# Altium PCB CryptUS_RevB_ASM.PcbDoc (part 3 of 3)
Units mil, origin at the board's own origin, x right, y up, seen from the top; angles counter-clockwise.
Board outline 3937.01 x 3937.01 mil, 8 copper layers (Top Layer, GND 1, Signal 1, GND 2, Signal 2, PWR, GND 3, Bottom Layer), stack 59.978 mil thick; 196 components, 53 nets, 984 pads, 1003 vias.
Unrouted connection lines stored in the file: 186.
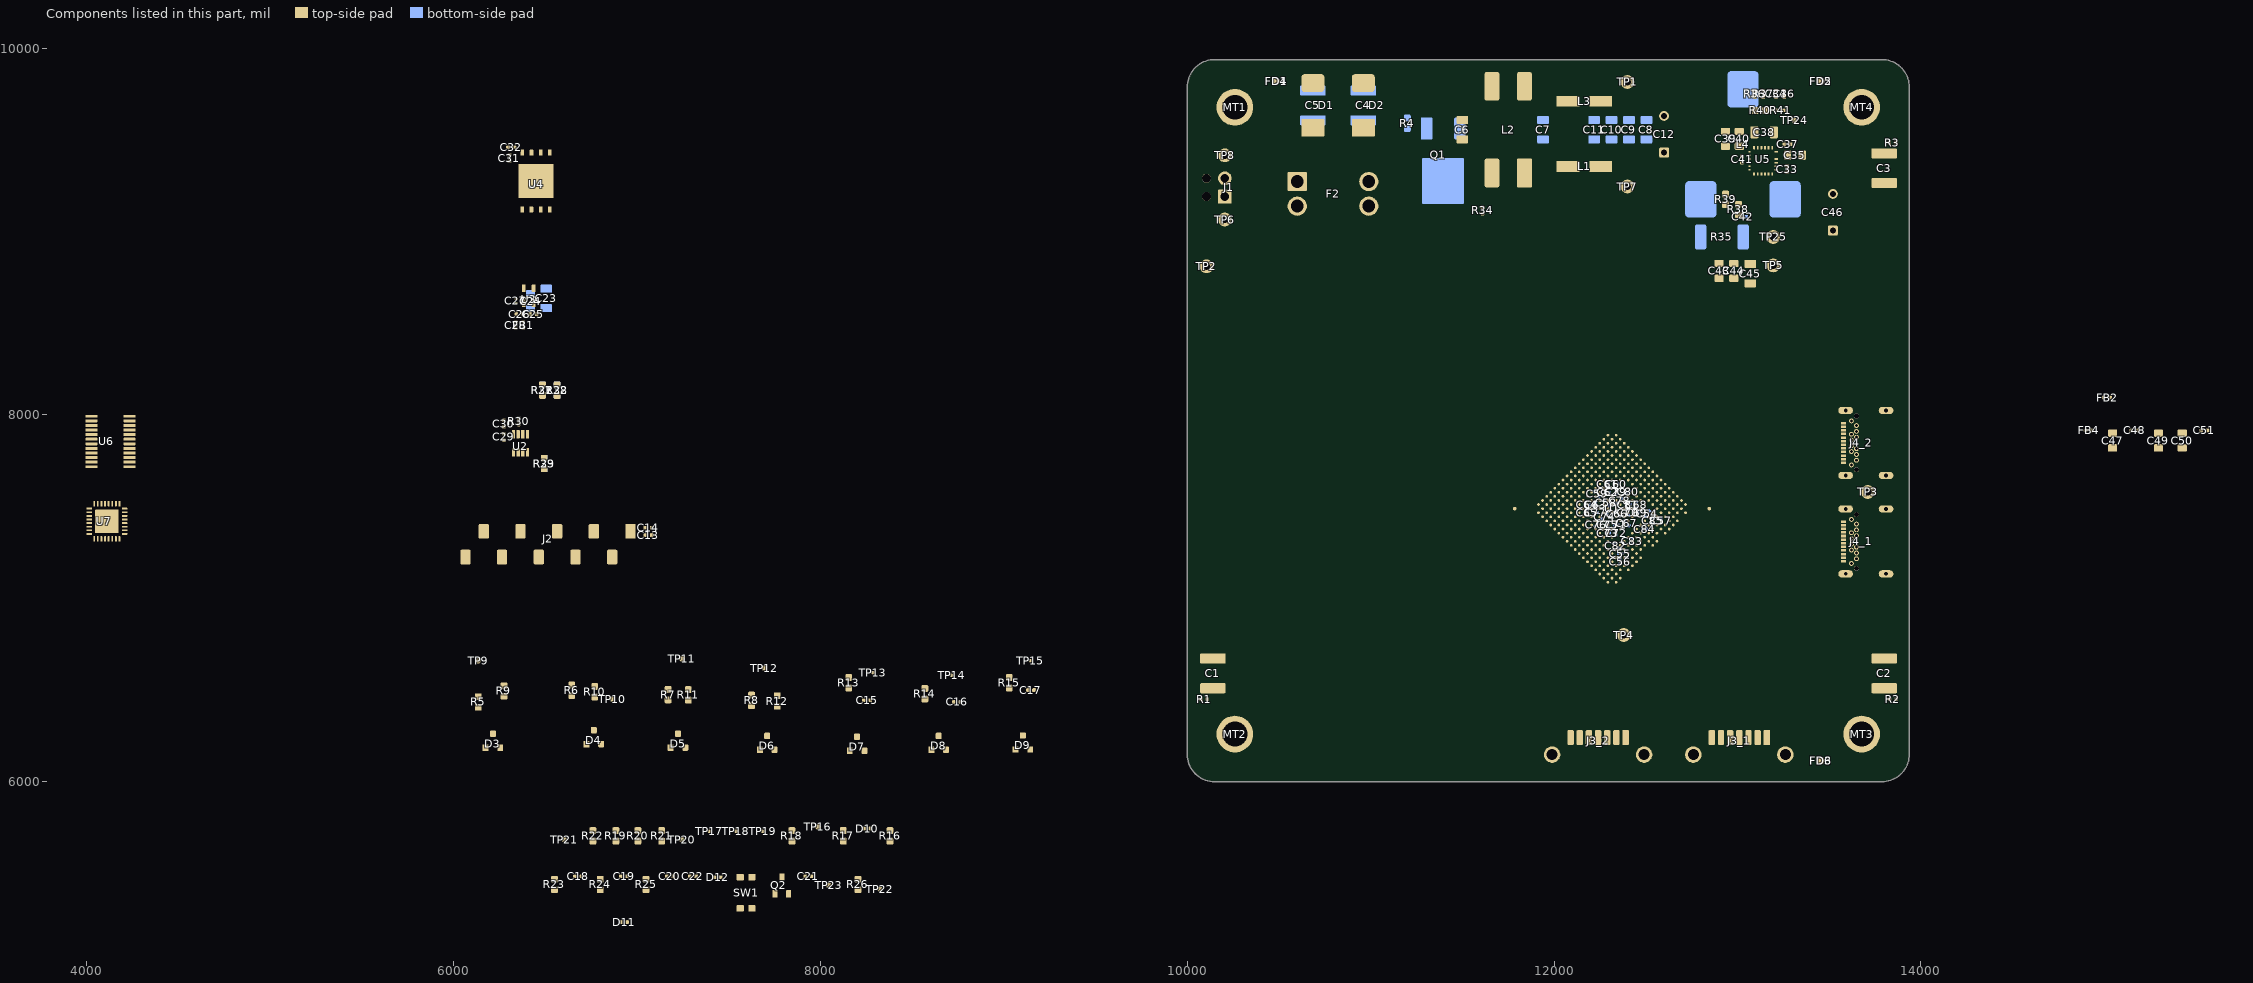
[diagram p9: the components of this part, seen from the top]

## Via types
v1: diameter 28, hole 16, Top Layer to Bottom Layer, 543 vias
v2: diameter 13.78, hole 7.87, Top Layer to Bottom Layer, tented both sides, 377 vias
v3: diameter 20, hole 16, Top Layer to Bottom Layer, 48 vias
v4: diameter 40, hole 20, Top Layer to Bottom Layer, 12 vias
v5: diameter 24, hole 12, Top Layer to Bottom Layer, 9 vias
v6: diameter 28, hole 16, Top Layer to Bottom Layer, tented top, 8 vias
v7: diameter 20, hole 10, Top Layer to Bottom Layer, 6 vias

## Nets (pads, with @x,y where several pads share a name; then routed paths per layer and width w, separated by ;. In a path a pad name is that pad's centre, name@x,y a point inside that pad or via, vN(x,y) a via of type N, cw(c..) or ccw(c..) an arc to the next point about the centre after c; other vN are vias at no path point) (continued)
copper on no net: | length 5501
  Top Layer w10: v2(11915.04,7444.52) 11937.31,7444.52 ; v2(11915.04,7489.07) 11937.31,7489.07 ; v2(11915.04,7533.61) 11937.31,7533.61 ; v2(11937.31,7422.25) 11959.58,7422.25 ; v2(11937.31,7466.8) 11959.58,7466.8 ; v2(11937.31,7511.34) 11959.58,7511.34 ; v2(11937.31,7555.88) 11959.58,7555.88 ; v2(11959.58,7399.98) 11981.85,7399.98 ; v2(11959.58,7444.52) 11981.85,7444.52 ; v2(11959.58,7489.07) 11981.85,7489.07 ; v2(11959.58,7533.61) 11981.85,7533.61 ; v2(11959.58,7578.15) 11981.85,7578.15 ; v2(11981.85,7422.25) 12004.12,7422.25 ; v2(11981.85,7466.8) 12004.12,7466.8 ; v2(11981.85,7511.34) 12004.12,7511.34 ; v2(11981.85,7555.88) 12004.12,7555.88 ; v2(11981.85,7600.42) 12004.12,7600.42 ; v2(12004.12,7355.44) 12026.39,7355.44 ; v2(12004.12,7399.98) 12026.39,7399.98 ; v2(12004.12,7444.52) 12026.39,7444.52 ; v2(12004.12,7533.61) 12026.39,7533.61 ; v2(12004.12,7578.15) 12026.39,7578.15 ; v2(12004.12,7622.69) 12026.39,7622.69 ; v2(12026.39,7333.17) 12048.66,7333.17 ; v2(12026.39,7377.71) 12048.66,7377.71 ; v2(12026.39,7422.25) 12048.66,7422.25 ; v2(12026.39,7466.8) 12048.66,7466.8 ; v2(12026.39,7511.34) 12048.66,7511.34 ; v2(12026.39,7555.88) 12048.66,7555.88 ; v2(12026.39,7644.96) 12048.66,7644.96 ; v2(12048.66,7310.9) 12070.93,7310.9 ; v2(12048.66,7399.98) 12070.93,7399.98 ; v2(12048.66,7444.52) 12070.93,7444.52 ; v2(12048.66,7489.07) 12070.93,7489.07 ; v2(12048.66,7533.61) 12070.93,7533.61 ; v2(12048.66,7578.15) 12070.93,7578.15 ; v2(12048.66,7622.69) 12070.93,7622.69 ; v2(12048.66,7667.23) 12070.93,7667.23 ; v2(12070.93,7288.63) 12093.2,7288.63 ; v2(12070.93,7377.71) 12093.2,7377.71 ; v2(12070.93,7466.8) 12093.2,7466.8 ; v2(12070.93,7511.34) 12093.2,7511.34 ; v2(12070.93,7555.88) 12093.2,7555.88 ; v2(12070.93,7600.42) 12093.2,7600.42 ; v2(12070.93,7644.96) 12093.2,7644.96 ; v2(12070.93,7689.51) 12093.2,7689.51 ; v2(12093.2,7310.9) 12115.48,7310.9 ; v2(12093.2,7355.44) 12115.48,7355.44 ; v2(12093.2,7399.98) 12115.48,7399.98 ; v2(12093.2,7444.52) 12115.48,7444.52 ; v2(12093.2,7489.07) 12115.48,7489.07 ; v2(12093.2,7533.61) 12115.48,7533.61 ; v2(12093.2,7578.15) 12115.48,7578.15 ; v2(12093.2,7622.69) 12115.48,7622.69 ; v2(12093.2,7667.23) 12115.48,7667.23 ; v2(12115.48,7333.17) 12137.75,7333.17 ; v2(12115.48,7377.71) 12137.75,7377.71 ; v2(12115.48,7422.25) 12137.75,7422.25 ; v2(12115.48,7555.88) 12137.75,7555.88 ; v2(12115.48,7600.42) 12137.75,7600.42 ; v2(12115.48,7644.96) 12137.75,7644.96 ; 12115.48,7711.78 v2(12115.48,7734.05) ; v2(12137.75,7355.44) 12160.02,7355.44 ; v2(12137.75,7399.98) 12160.02,7399.98 ; v2(12137.75,7444.52) 12160.02,7444.52 ; v2(12137.75,7578.15) 12160.02,7578.15 ; v2(12137.75,7622.69) 12160.02,7622.69 ; 12137.75,7689.51 v2(12137.75,7711.78) ; 12137.75,7734.05 v2(12137.75,7756.32) ; v2(12160.02,7199.54) 12160.02,7221.81 ; v2(12160.02,7288.63) 12160.02,7310.9 ; v2(12160.02,7377.71) 12182.29,7377.71 ; v2(12160.02,7422.25) 12182.29,7422.25 ; v2(12160.02,7466.8) 12182.29,7466.8 ; v2(12160.02,7555.88) 12182.29,7555.88 ; v2(12160.02,7600.42) 12182.29,7600.42 ; 12160.02,7667.23 v2(12160.02,7689.51) ; 12160.02,7711.78 v2(12160.02,7734.05) ; 12160.02,7756.32 v2(12160.02,7778.59) ; v2(12182.29,7177.27) 12182.29,7199.54 ; v2(12182.29,7221.81) 12182.29,7244.08 ; v2(12182.29,7266.36) 12182.29,7288.63 ; v2(12182.29,7310.9) 12182.29,7333.17 ; v2(12182.29,7578.15) 12204.56,7578.15 ; 12182.29,7644.96 v2(12182.29,7667.23) ; 12182.29,7689.51 v2(12182.29,7711.78) ; 12182.29,7734.05 v2(12182.29,7756.32) ; 12182.29,7778.59 v2(12182.29,7800.86) ; v2(12204.56,7155) 12204.56,7177.27 ; v2(12204.56,7199.54) 12204.56,7221.81 ; v2(12204.56,7244.08) 12204.56,7266.36 ; v2(12204.56,7288.63) 12204.56,7310.9 ; v2(12204.56,7333.17) 12204.56,7355.44 ; 12204.56,7622.69 v2(12204.56,7644.96) ; 12204.56,7667.23 v2(12204.56,7689.51) ; 12204.56,7711.78 v2(12204.56,7734.05) ; 12204.56,7800.86 v2(12204.56,7823.13) ; v2(12226.83,7132.73) 12226.83,7155 ; v2(12226.83,7177.27) 12226.83,7199.54 ; v2(12226.83,7221.81) 12226.83,7244.08 ; v2(12226.83,7266.36) 12226.83,7288.63 ; v2(12226.83,7310.9) 12226.83,7333.17 ; v2(12226.83,7355.44) 12226.83,7377.71 ; 12226.83,7600.42 v2(12226.83,7622.69) ; 12226.83,7644.96 v2(12226.83,7667.23) ; 12226.83,7689.51 v2(12226.83,7711.78) ; 12226.83,7734.05 v2(12226.83,7756.32) ; 12226.83,7778.59 v2(12226.83,7800.86) ; 12226.83,7823.13 v2(12226.83,7845.4) ; v2(12249.1,7110.46) 12249.1,7132.73 ; v2(12249.1,7155) 12249.1,7177.27 ; v2(12249.1,7199.54) 12249.1,7221.81 ; v2(12249.1,7244.08) 12249.1,7266.36 ; v2(12249.1,7288.63) 12249.1,7310.9 ; v2(12249.1,7333.17) 12249.1,7355.44 ; v2(12249.1,7377.71) 12249.1,7399.98 ; 12249.1,7622.69 v2(12249.1,7644.96) ; 12249.1,7667.23 v2(12249.1,7689.51) ; 12249.1,7711.78 v2(12249.1,7734.05) ; 12249.1,7756.32 v2(12249.1,7778.59) ; 12249.1,7800.86 v2(12249.1,7823.13) ; 12249.1,7845.4 v2(12249.1,7867.67) ; v2(12271.37,7088.19) 12271.37,7110.46 ; v2(12271.37,7132.73) 12271.37,7155 ; v2(12271.37,7177.27) 12271.37,7199.54 ; v2(12271.37,7266.36) 12271.37,7288.63 ; 12271.37,7689.51 v2(12271.37,7711.78) ; 12271.37,7734.05 v2(12271.37,7756.32) ; 12271.37,7778.59 v2(12271.37,7800.86) ; 12271.37,7823.13 v2(12271.37,7845.4) ; 12271.37,7867.67 v2(12271.37,7889.95) ; v2(12293.64,7065.92) 12293.64,7088.19 ; v2(12293.64,7110.46) 12293.64,7132.73 ; v2(12293.64,7288.63) 12293.64,7310.9 ; 12293.64,7711.78 v2(12293.64,7734.05) ; 12293.64,7756.32 v2(12293.64,7778.59) ; 12293.64,7800.86 v2(12293.64,7823.13) ; 12293.64,7845.4 v2(12293.64,7867.67) ; 12293.64,7889.95 v2(12293.64,7912.22) ; v2(12315.92,7088.19) 12315.92,7110.46 ; 12315.92,7689.51 v2(12315.92,7711.78) ; 12315.92,7734.05 v2(12315.92,7756.32) ; 12315.92,7778.59 v2(12315.92,7800.86) ; 12315.92,7823.13 v2(12315.92,7845.4) ; 12315.92,7867.67 v2(12315.92,7889.95) ; v2(12338.19,7065.92) 12338.19,7088.19 ; 12338.19,7622.69 v2(12338.19,7644.96) ; 12338.19,7711.78 v2(12338.19,7734.05) ; 12338.19,7756.32 v2(12338.19,7778.59) ; 12338.19,7800.86 v2(12338.19,7823.13) ; 12338.19,7889.95 v2(12338.19,7912.22) ; v2(12360.46,7132.73) 12360.46,7155 ; v2(12360.46,7355.44) 12360.46,7377.71 ; 12360.46,7644.96 v2(12360.46,7667.23) ; 12360.46,7689.51 v2(12360.46,7711.78) ; 12360.46,7734.05 v2(12360.46,7756.32) ; 12360.46,7778.59 v2(12360.46,7800.86) ; 12360.46,7823.13 v2(12360.46,7845.4) ; 12360.46,7867.67 v2(12360.46,7889.95) ; v2(12382.73,7155) 12382.73,7177.27 ; v2(12382.73,7288.63) 12382.73,7310.9 ; v2(12382.73,7377.71) 12382.73,7399.98 ; 12382.73,7622.69 v2(12382.73,7644.96) ; 12382.73,7667.23 v2(12382.73,7689.51) ; 12382.73,7756.32 v2(12382.73,7778.59) ; 12382.73,7800.86 v2(12382.73,7823.13) ; 12382.73,7845.4 v2(12382.73,7867.67) ; v2(12405,7132.73) 12405,7155 ; v2(12405,7310.9) 12405,7333.17 ; 12405,7555.88 v2(12427.27,7555.88) ; 12405,7644.96 v2(12405,7667.23) ; 12405,7689.51 v2(12405,7711.78) ; 12405,7734.05 v2(12405,7756.32) ; 12405,7778.59 v2(12405,7800.86) ; 12405,7823.13 v2(12405,7845.4) ; v2(12427.27,7155) 12427.27,7177.27 ; 12427.27,7578.15 v2(12449.54,7578.15) ; 12427.27,7622.69 v2(12427.27,7644.96) ; 12427.27,7667.23 v2(12427.27,7689.51) ; 12427.27,7711.78 v2(12427.27,7734.05) ; 12427.27,7756.32 v2(12427.27,7778.59) ; 12427.27,7800.86 v2(12427.27,7823.13) ; v2(12449.54,7177.27) 12449.54,7199.54 ; v2(12449.54,7221.81) 12449.54,7244.08 ; 12449.54,7555.88 v2(12471.81,7555.88) ; 12449.54,7600.42 v2(12471.81,7600.42) ; 12449.54,7644.96 v2(12449.54,7667.23) ; 12449.54,7689.51 v2(12449.54,7711.78) ; 12449.54,7778.59 v2(12449.54,7800.86) ; v2(12471.81,7199.54) 12471.81,7221.81 ; v2(12471.81,7244.08) 12471.81,7266.36 ; v2(12471.81,7288.63) 12471.81,7310.9 ; 12471.81,7399.98 v2(12494.08,7399.98) ; 12471.81,7622.69 v2(12494.08,7622.69) ; 12471.81,7667.23 v2(12471.81,7689.51) ; 12471.81,7711.78 v2(12471.81,7734.05) ; 12471.81,7756.32 v2(12471.81,7778.59) ; v2(12494.08,7266.36) 12494.08,7288.63 ; 12494.08,7333.17 v2(12516.36,7333.17) ; 12494.08,7422.25 v2(12516.36,7422.25) ; 12494.08,7511.34 v2(12516.36,7511.34) ; 12494.08,7555.88 v2(12516.36,7555.88) ; 12494.08,7600.42 v2(12516.36,7600.42) ; 12494.08,7644.96 v2(12516.36,7644.96) ; 12494.08,7689.51 v2(12494.08,7711.78) ; 12494.08,7734.05 v2(12494.08,7756.32) ; 12516.36,7533.61 v2(12538.63,7533.61) ; 12516.36,7578.15 v2(12538.63,7578.15) ; 12516.36,7622.69 v2(12538.63,7622.69) ; 12516.36,7667.23 v2(12538.63,7667.23) ; 12516.36,7711.78 v2(12516.36,7734.05) ; 12538.63,7511.34 v2(12560.9,7511.34) ; 12538.63,7555.88 v2(12560.9,7555.88) ; 12538.63,7600.42 v2(12560.9,7600.42) ; 12538.63,7644.96 v2(12560.9,7644.96) ; 12538.63,7689.51 v2(12560.9,7689.51) ; 12560.9,7355.44 v2(12583.17,7355.44) ; 12560.9,7489.07 v2(12583.17,7489.07) ; 12560.9,7533.61 v2(12583.17,7533.61) ; 12560.9,7578.15 v2(12583.17,7578.15) ; 12560.9,7622.69 v2(12583.17,7622.69) ; 12560.9,7667.23 v2(12583.17,7667.23) ; 12583.17,7377.71 v2(12605.44,7377.71) ; 12583.17,7466.8 v2(12605.44,7466.8) ; 12583.17,7511.34 v2(12605.44,7511.34) ; 12583.17,7555.88 v2(12605.44,7555.88) ; 12583.17,7600.42 v2(12605.44,7600.42) ; 12583.17,7644.96 v2(12605.44,7644.96) ; 12605.44,7355.44 v2(12627.71,7355.44) ; 12605.44,7489.07 v2(12627.71,7489.07) ; 12605.44,7533.61 v2(12627.71,7533.61) ; 12605.44,7622.69 v2(12627.71,7622.69) ; 12627.71,7377.71 v2(12649.98,7377.71) ; 12627.71,7466.8 v2(12649.98,7466.8) ; 12627.71,7511.34 v2(12649.98,7511.34) ; 12627.71,7555.88 v2(12649.98,7555.88) ; 12627.71,7600.42 v2(12649.98,7600.42) ; 12649.98,7399.98 v2(12672.25,7399.98) ; 12649.98,7444.52 v2(12672.25,7444.52) ; 12649.98,7489.07 v2(12672.25,7489.07) ; 12649.98,7533.61 v2(12672.25,7533.61) ; 12649.98,7578.15 v2(12672.25,7578.15) ; 12672.25,7422.25 v2(12694.52,7422.25) ; 12672.25,7466.8 v2(12694.52,7466.8) ; 12672.25,7555.88 v2(12694.52,7555.88) ; 12716.8,7466.8 v2(12739.07,7466.8) ; 12716.8,7511.34 v2(12739.07,7511.34)
  other v2: 12137.75,7221.81 12115.48,7244.08 12137.75,7266.36 12560.9,7288.63 12538.63,7310.9 12583.17,7310.9

## Polygon pours and split planes (outlines as drawn)
+5V_LX_5 on Top Layer "NONET_L01_P-001" (solid, pour order 43): 13195,9370 13195,9350 13200,9345 13220,9345 13238,9327 13273.32,9327 13285,9315.32 13285,9235 13230,9180 13005,9180 12965,9220 12965,9300 13035,9370
GND on Top Layer "NONET_L01_P-001" (solid, pour order 48): 12860,8770 12870,8780 13020,8780 13030,8770 13115,8770 13120,8765 13120,8620 12935,8620 12860,8695
+5V on Top Layer "NONET_L01_P-001" (solid, pour order 47): 12860,8805 12875,8790 13025,8790 13030,8785 13110,8785 13120,8795 13120,8950 12935,8950 12860,8875
+5V on Top Layer "NONET_L01_P-001" (solid, pour order 45): 13285,8895 13260,8870 12960,8870 12935,8895 12935,9045 12945,9055 13285,9055
GND on Top Layer "NONET_L01_P-001" (solid, pour order 40): 13160,9325 13160,9270 13155,9265 13080,9265 13075,9270 13075,9325
GND on Top Layer "NONET_L01_P-001" (solid, pour order 39): 13030,9520 13040,9530 13040,9605 13030,9615 12905,9615 12895,9605 12895,9530 12905,9520
+24V on Top Layer "NONET_L01_P-001" (solid, pour order 38): 12575,9500 12580,9505 13045,9505 13055,9515 13055,9575 13070,9590 13120,9590 13130,9580 13130,9495 13110,9475 13100,9475 13100,9440 13102.64,9437.36 13184.49,9437.36 13194.33,9427.52 13194.33,9389.92 13045.08,9389.92 13040,9395 12995,9395 12935,9395 12915,9375 12575,9375
PGND on Top Layer "PGND_L01_P036" (solid, pour order 36): 10110,9245 10030,9325 10030,9787.01 cw(c10150,9787.01) 10150,9907.01 11700,9907.01 11700,9245
+24V_COMM_5 on Top Layer "+24V_COMM_5_L01_P009" (solid, pour order 9): 11485,9545 11455,9575 11410,9575 11410,9500 11460,9450 11590,9450 11595,9445 11595,9205 11610,9190 11705,9190 11725,9210 11725,9495 11675,9545
NetC7_2 on Top Layer "NETC7_2_L01_P033" (solid, pour order 33): 12115,9630 12155,9670 12155,9745 12085,9815 11880,9815 11785,9815 11770,9800 11770,9670 11810,9630
+24V_IN on Top Layer "+24V_IN_L01_P028" (solid, pour order 28): 10130,9225 10100,9195 10100,9045 10120,9025 10650,9025 10675,9050 10675,9350 10650,9375 10550,9375 10500,9325 10500,9250 10475,9225
+24V on Top Layer "+24V_L01_P023" (solid, pour order 23): 12175,9320 12310,9185 12530,9185 12645,9300 12645,9470 12615,9500 12200,9500 12175,9475
+24V_DIFF_5 on Top Layer "+24V_DIFF_5_L01_P020" (solid, pour order 20): 12115,9435 12155,9395 12155,9320 12135,9300 11920,9300 11900,9280 11900,9200 11890,9190 11790,9190 11770,9210 11770,9395 11810,9435
+24V_PROT_5 on Top Layer "+24V_PROT_5_L01_P018" (solid, pour order 18): 10600,9650 10575,9625 10575,9505 10655,9425 10855,9425 10900,9380 10900,9050 10925,9025 11050,9025 11075,9050 11075,9110 11090,9125 11500,9125 11520,9145 11520,9380 11475,9425 11125,9425 11065,9485 11065,9605 11020,9650
GND on Top Layer "GND_L01_P015" (solid, pour order 15): 12175,9845 12235,9905 12600,9905 12645,9860 12645,9595 12615,9565 12200,9565 12175,9590
PGND on GND 1 "PGND_L02_P030" (solid, pour order 30): 10030,8965 10030,9787.01 cw(c10150,9787.01) 10150,9907.01 11700,9907.01 11700,8965
GND on GND 1 "GND_L02_P013" (solid, pour order 13): 13907.01,6150 13907.01,9787.01 ccw(c13787.01,9787.01) 13787.01,9907.01 11775,9907.01 11775,8885 10030,8885 10030,6200 10030,6150 ccw(c10150,6150) 10150,6030 13787.01,6030 ccw(c13787.01,6150)
PGND on GND 2 "PGND_L04_P010" (solid, pour order 10): 10030,8965 10030,9787.01 cw(c10150,9787.01) 10150,9907.01 11700,9907.01 11700,8965
GND on GND 2 "GND_L04_P008" (solid, pour order 8): 13907.01,6150 13907.01,9787.01 ccw(c13787.01,9787.01) 13787.01,9907.01 11775,9907.01 11775,8885 10030,8885 10030,6200 10030,6150 ccw(c10150,6150) 10150,6030 13787.01,6030 ccw(c13787.01,6150)
PGND on GND 3 "PGND_L07_P012" (solid, pour order 12): 10030,8965 10030,9787.01 cw(c10150,9787.01) 10150,9907.01 11700,9907.01 11700,8965
GND on GND 3 "GND_L07_P014" (solid, pour order 14): 13907.01,6150 13907.01,9787.01 ccw(c13787.01,9787.01) 13787.01,9907.01 11775,9907.01 11775,8885 10030,8885 10030,6200 10030,6150 ccw(c10150,6150) 10150,6030 13787.01,6030 ccw(c13787.01,6150)
+5V_LX_5 on Bottom Layer "NONET_L01_P-001" (solid, pour order 41): 13195,9370 13195,9350 13200,9345 13220,9345 13238,9327 13273.32,9327 13285,9315.32 13285,9140 13255,9110 13075,9110 12965,9220 12965,9300 13035,9370
GND on Bottom Layer "+1V2_FPGA_L01_P-001" (solid, pour order 51): 12182.29,7489.07 12315.92,7622.69 12449.54,7489.07 12315.92,7355.44
+5V on Bottom Layer "NONET_L01_P-001" (solid, pour order 46): 13285,8895 13260,8870 12960,8870 12935,8895 12935,9045 12945,9055 13285,9055
+5V_I_5 on Bottom Layer "NONET_L01_P-001" (solid, pour order 44): 12725,9300 12700,9275 12700,8900 12725,8875 12875,8875 12900,8900 12900,9275 12875,9300
PGND on Bottom Layer "PGND_L08_P029" (solid, pour order 29): 10600,9480 10600,9245 10030,9245 10030,9787.01 cw(c10150,9787.01) 10150,9907.01 11700,9907.01 11700,9480
+24V_COMM_5 on Bottom Layer "+24V_COMM_5_L08_P022" (solid, pour order 22): 11410,9485 11445,9450 11590,9450 11595,9445 11595,9205 11610,9190 11705,9190 11725,9210 11725,9440 11725,9495 11675,9545 11557.5,9545 11540,9560 11540,9620 11515,9645 11450,9645 11410,9605
NetC7_2 on Bottom Layer "NETC7_2_L08_P035" (solid, pour order 35): 11905,9565 11890,9580 11890,9810 11905,9825 11980,9825 11995,9810 11995,9580 11980,9565
GND on Bottom Layer "GND_L08_P027" (solid, pour order 27): 12540,9569.99 12555,9584.99 12634.99,9584.99 12645,9595 12645,9860 12600,9905 12235,9905 12165,9835 12165,9584.99 12180,9569.99
+24V on Bottom Layer "+24V_L08_P026" (solid, pour order 26): 12540,9540 12555,9525 12555,9495 12575,9475 12630,9475 12645,9460 12645,9390 12635,9380 12555,9380 12540,9395 12205,9395 12165,9435 12165,9525 12180,9540
+24V_DIFF_5 on Bottom Layer "+24V_DIFF_5_L08_P025" (solid, pour order 25): 11905,9550 11890,9535 11890,9310 11905,9295 11985,9295 11995,9305 11995,9535 11980,9550
+24V_PROT_5 on Bottom Layer "+24V_PROT_5_L08_P019" (solid, pour order 19): 10600,9675 10575,9650 10575,9505 10655,9425 10855,9425 10900,9380 10900,9050 10925,9025 11050,9025 11075,9050 11075,9110 11090,9125 11500,9125 11520,9145 11520,9380 11475,9425 11125,9425 11065,9485 11065,9650 11040,9675
+5V_LX_5 on PWR "NONET_L01_P-001" (solid, pour order 42): 13195,9370 13195,9350 13200,9345 13220,9345 13238,9327 13273.32,9327 13285,9315.32 13285,9235 13230,9180 13005,9180 12965,9220 12965,9300 13035,9370
+1V2_FPGA on PWR "+1V2_FPGA_L01_P-001" (solid, pour order 52): 12160.02,7489.07 12315.92,7644.96 12471.81,7489.07 12560.9,7489.07 12583.17,7466.8 12338.19,7221.81 12315.92,7244.08 12315.92,7333.17
+24V on PWR "NONET_L01_P-001" (solid, pour order 37): 12575,9475 12605,9505 13045,9505 13055,9515 13055,9565 13070,9580 13120,9580 13130,9570 13130,9495 13110,9475 13100,9475 13100,9440 13102.64,9437.36 13184.49,9437.36 13194.33,9427.52 13194.33,9389.92 13045.08,9389.92 13040,9395 12995,9395 12935,9395 12915,9375 12580,9375 12575,9380
+24V_IN on PWR "+24V_IN_L06_P000" (solid, pour order 0): 10130,9225 10100,9195 10100,9045 10120,9025 10650,9025 10675,9050 10675,9350 10650,9375 10550,9375 10500,9325 10500,9250 10475,9225
+24V on PWR "+24V_L06_P017" (solid, pour order 17): 12175,9425 12220,9380 12305,9380 12320,9365 12320,9215 12350,9185 12440,9185 12470,9215 12470,9365 12480,9375 12630,9375 12645,9390 12645,9460 12630,9475 12190,9475 12175,9460
+24V_DIFF_5 on PWR "+24V_DIFF_5_L06_P024" (solid, pour order 24): 12115,9435 12155,9395 12155,9320 12135,9300 11920,9300 11900,9280 11900,9200 11890,9190 11790,9190 11770,9210 11770,9395 11810,9435
+24V_COMM_5 on PWR "+24V_COMM_5_L06_P021" (solid, pour order 21): 11420,9505 11475,9450 11590,9450 11595,9445 11595,9205 11610,9190 11705,9190 11725,9210 11725,9440 11725,9495 11675,9545 11557.5,9545 11540,9560 11540,9620 11515,9645 11450,9645 11420,9615
+24V_PROT_5 on PWR "+24V_PROT_5_L06_P001" (solid, pour order 1): 10800,9525 10780,9505 10690,9505 10665,9480 10665,9450 10690,9425 10855,9425 10900,9380 10900,9050 10925,9025 11050,9025 11075,9050 11075,9110 11090,9125 11500,9125 11520,9145 11520,9380 11475,9425 11125,9425 11045,9505 10870,9505 10850,9525 10850,9640 10840,9650 10810,9650 10800,9640
PGND on Signal 1 "PGND_L03_P006" (solid, pour order 6): 10030,8965 10030,9787.01 cw(c10150,9787.01) 10150,9907.01 11700,9907.01 11700,8965
PGND on Signal 2 "PGND_L05_P011" (solid, pour order 11): 10030,8965 10030,9787.01 cw(c10150,9787.01) 10150,9907.01 11700,9907.01 11700,8965

## Keep-outs
Keep-Out Layer:
  the board outline again, w40

## Other copper
Top Layer:
  text "1" at 11374,8904 h40
GND 2:
  text "4" at 11491,8904 h40
Signal 2:
  text "5" at 11534,8904 h40
Signal 1:
  text "3" at 11448,8904 h40
PWR:
  text "6" at 11578,8904 h40
GND 1:
  text "2" at 11404,8904 h40
GND 3:
  text "7" at 11619,8904 h40
Bottom Layer:
  text "8" at 11660,8904 h40

## Silkscreen, mask and mechanical layers (free items; w line width, h text height)
Top Overlay:
  lines w5: 10460,9677.01 10480,9677.01 ; 10480,9662.01 10480,9692.01 ; 10489,9667.01 10489,9687.01 ; 10498,9672.01 10498,9682.01 ; 10480,6225 10950,6225 10950,6430 10480,6430 10480,6225 ; 10975,6230 11175,6230 11175,6430 10975,6430 10975,6230
  lines w10: 10370,9290 10400,9290 ; 10376,9190 10426,9190 ; 10401,9165 10401,9215 ; 10401,9265 10401,9315 ; 10415,9275 10415,9305 ; 10429,9285 10429,9295
  text "10A" at 10745.02,9010.01 h40
  text "POWER ENTRY: +24V" at 10040,8905.01 h40
  text "CRYPTUS" at 11210,6351.98 h100
  text "COOL / LOGO / HERE" at 11025,6270 h25
  text "REV. A" at 11210,6250 h100
  text "some long url to a github page / website" at 10485,6155.14 h80
  text "Drawn By: Pascal-Emmanuel Lachance" at 10477.5,6075.83 h40
M1_Outline:
  the board outline again, w10
M15_Manufacturing_Notes:
  lines w10: 10480,6225 10950,6225 10950,6430 10480,6430 10480,6225
  lines w20: 317.89,10588.35 1170.21,10588.35 3105.51,10588.35 4895.02,10588.35 6247.18,10588.35 7432.72,10588.35 8410,10588.35 ; 317.89,10838.35 1170.21,10838.35 3105.51,10838.35 4895.02,10838.35 6247.18,10838.35 7432.72,10838.35 8410,10838.35 ; 317.89,11088.35 1170.21,11088.35 3105.51,11088.35 4895.02,11088.35 6247.18,11088.35 7432.72,11088.35 8410,11088.35 ; 317.89,11338.35 1170.21,11338.35 3105.51,11338.35 4895.02,11338.35 6247.18,11338.35 7432.72,11338.35 8410,11338.35 ; 317.89,11588.35 1170.21,11588.35 3105.51,11588.35 4895.02,11588.35 6247.18,11588.35 7432.72,11588.35 8410,11588.35 ; 317.89,11838.35 1170.21,11838.35 3105.51,11838.35 4895.02,11838.35 6247.18,11838.35 7432.72,11838.35 8410,11838.35 ; 317.89,12088.35 1170.21,12088.35 3105.51,12088.35 4895.02,12088.35 6247.18,12088.35 7432.72,12088.35 8410,12088.35 ; 317.89,12338.35 1170.21,12338.35 3105.51,12338.35 4895.02,12338.35 6247.18,12338.35 7432.72,12338.35 8410,12338.35 ; 317.89,12588.35 1170.21,12588.35 3105.51,12588.35 4895.02,12588.35 6247.18,12588.35 7432.72,12588.35 8410,12588.35 ; 317.89,12838.35 1170.21,12838.35 3105.51,12838.35 4895.02,12838.35 6247.18,12838.35 7432.72,12838.35 8410,12838.35 ; 317.89,13088.35 1170.21,13088.35 3105.51,13088.35 4895.02,13088.35 6247.18,13088.35 7432.72,13088.35 8410,13088.35 ; 317.89,13338.35 1170.21,13338.35 3105.51,13338.35 4895.02,13338.35 6247.18,13338.35 7432.72,13338.35 8410,13338.35 ; 317.89,13588.35 1170.21,13588.35 3105.51,13588.35 4895.02,13588.35 6247.18,13588.35 7432.72,13588.35 8410,13588.35 ; 317.89,13838.35 1170.21,13838.35 3105.51,13838.35 4895.02,13838.35 6247.18,13838.35 7432.72,13838.35 8410,13838.35 ; 317.89,14088.35 1170.21,14088.35 3105.51,14088.35 4895.02,14088.35 6247.18,14088.35 7432.72,14088.35 8410,14088.35 ; 317.89,14338.35 1170.21,14338.35 3105.51,14338.35 4895.02,14338.35 6247.18,14338.35 7432.72,14338.35 8410,14338.35 ; 317.89,14588.35 1170.21,14588.35 3105.51,14588.35 4895.02,14588.35 6247.18,14588.35 7432.72,14588.35 8410,14588.35 ; 317.89,14838.35 1170.21,14838.35 3105.51,14838.35 4895.02,14838.35 6247.18,14838.35 7432.72,14838.35 8410,14838.35 ; 317.89,15088.35 8410,15088.35 ; 1170.21,15338.35 1170.21,10338.35 ; 3105.51,15338.35 3105.51,10338.35 ; 4895.02,15338.35 4895.02,10338.35 ; 6247.18,15338.35 6247.18,10338.35 ; 7432.72,15338.35 7432.72,10338.35 ; 1170.21,10338.35 317.89,10338.35 317.89,15338.35 8410,15338.35 8410,10338.35 7432.72,10338.35 ; 1170.21,10338.35 3105.51,10338.35 ; 3105.51,10338.35 4895.02,10338.35 ; 4895.02,10338.35 6247.18,10338.35 ; 6247.18,10338.35 7432.72,10338.35
  text "Layer" at 462.89,15150.85 h125
  text "Name" at 1315.21,15150.85 h125
  text "Material" at 3250.51,15150.85 h125
  text "Thickness" at 5040.02,15150.85 h125
  text "Constant" at 6392.18,15150.85 h125
  text "Gerber" at 7577.72,15150.85 h125
  text "Top Overlay" at 1315.21,14900.85 h125
  text "GTO" at 7577.72,14900.85 h125
  text "Top Solder" at 1315.21,14650.85 h125
  text "Solder Resist" at 3250.51,14650.85 h125
  text "0.40mil" at 5040.02,14650.85 h125
  text "1" at 6392.18,14650.85 h125
  text "GTS" at 7577.72,14650.85 h125
  text "1" at 462.89,14400.85 h125
  text "Top Layer" at 1315.21,14400.85 h125
  text "0.69mil" at 5040.02,14400.85 h125
  text "GTL" at 7577.72,14400.85 h125
  text "Prepreg 1" at 1315.21,14150.85 h125
  text "2116" at 3250.51,14150.85 h125
  text "4.00mil" at 5040.02,14150.85 h125
  text "4.32" at 6392.18,14150.85 h125
  text "2" at 462.89,13900.85 h125
  text "GND 1" at 1315.21,13900.85 h125
  text "1.40mil" at 5040.02,13900.85 h125
  text "G1" at 7577.72,13900.85 h125
  text "Core 1" at 1315.21,13650.85 h125
  text "FR4-TG150" at 3250.51,13650.85 h125
  text "9.40mil" at 5040.02,13650.85 h125
  text "4.5" at 6392.18,13650.85 h125
  text "3" at 462.89,13400.85 h125
  text "Signal 1" at 1315.21,13400.85 h125
  text "1.40mil" at 5040.02,13400.85 h125
  text "G2" at 7577.72,13400.85 h125
  text "Dielectric 1" at 1315.21,13150.85 h125
  text "7628" at 3250.51,13150.85 h125
  text "7.00mil" at 5040.02,13150.85 h125
  text "4.42" at 6392.18,13150.85 h125
  text "4" at 462.89,12900.85 h125
  text "GND 2" at 1315.21,12900.85 h125
  text "1.40mil" at 5040.02,12900.85 h125
  text "G3" at 7577.72,12900.85 h125
  text "Core 2" at 1315.21,12650.85 h125
  text "FR4-TG150" at 3250.51,12650.85 h125
  text "9.40mil" at 5040.02,12650.85 h125
  text "4.5" at 6392.18,12650.85 h125
  text "5" at 462.89,12400.85 h125
  text "Signal 2" at 1315.21,12400.85 h125
  text "1.40mil" at 5040.02,12400.85 h125
  text "G4" at 7577.72,12400.85 h125
  text "Dielectric 2" at 1315.21,12150.85 h125
  text "7628" at 3250.51,12150.85 h125
  text "7.00mil" at 5040.02,12150.85 h125
  text "4.42" at 6392.18,12150.85 h125
  text "6" at 462.89,11900.85 h125
  text "PWR" at 1315.21,11900.85 h125
  text "1.40mil" at 5040.02,11900.85 h125
  text "G5" at 7577.72,11900.85 h125
  text "Core 3" at 1315.21,11650.85 h125
  text "FR4-TG150" at 3250.51,11650.85 h125
  text "9.40mil" at 5040.02,11650.85 h125
  text "4.5" at 6392.18,11650.85 h125
  text "7" at 462.89,11400.85 h125
  text "GND 3" at 1315.21,11400.85 h125
  text "1.40mil" at 5040.02,11400.85 h125
  text "G6" at 7577.72,11400.85 h125
  text "Prepreg 3" at 1315.21,11150.85 h125
  text "2116" at 3250.51,11150.85 h125
  text "4.00mil" at 5040.02,11150.85 h125
  text "4.32" at 6392.18,11150.85 h125
  text "8" at 462.89,10900.85 h125
  text "Bottom Layer" at 1315.21,10900.85 h125
  text "0.69mil" at 5040.02,10900.85 h125
  text "GBL" at 7577.72,10900.85 h125
  text "Bottom Solder" at 1315.21,10650.85 h125
  text "Solder Resist" at 3250.51,10650.85 h125
  text "0.40mil" at 5040.02,10650.85 h125
  text "1" at 6392.18,10650.85 h125
  text "GBS" at 7577.72,10650.85 h125
  text "Bottom Overlay" at 1315.21,10400.85 h125
  text "GBO" at 7577.72,10400.85 h125
  text "Total board thickness:" at 462.89,10150.85 h125
  text "60.78mil" at 5040.02,10150.85 h125
  text "ALL COPPER LAYERS ARE 1OZ THICK" at 320,9950 h100
  text "[3]" at 10492,6303 h30
  text "FABRICATION NOTES: / [1]     FABRICATE TO IPC CLASS 2 STANDARD. / [2]     FABRICATE PCB USING ONLY RoHS COMPLIANT MATERIALS. /            FINAL PRODUCT SHALL BE ACCEPTABLE TO USE IN RoHS ASSEMBLY. / [3]     ADD MANUFACTURING MARKING (LOGO / DATE / UL MARKING / RoHS) ON SILKSCREEN TOP SIDE OF PCB. /            ([.gto], IN AREA MARKED #3 IN MANUFACTURING NOTES LAYER [M15]) / [4]     MATERIAL SHALL MEET UL 94V-0 FAMMABILITY RATING. / [5]     DO NOT APPLY SILKSCREEN OVER EXPOSED COPPER OR SOLDERMASK EXPANSION. /            CLIP SILKSCREEN AROUND EXPOSED COPPER. /            CLIP SILKSCREEN AROUND SOLDERMASK EXPANSION. / [6]     DO NOT FILL VIAS OR PLATE OVER. /            TREAT VIA-IN-PAD AS NORMAL PTH VIAS. / [7]     TENT VIAS WITH SOLDERMASK ACCORDING TO SOLDERMASK LAYERS. / [8]     DIAMETERS IN DRILL HOLE TABLE ARE FINISHED SIZES. / [9]    APPLY GREEN TRANSPARENT SOLDERMASK OVER BARE COPPER ACCORDING TO SOLDERMASKS LAYERS. / [10]    APPLY NON-CONDUCTIVE WHITE INK AFTER SOLDERMASK ACCORDING TO SILKSCREEN LAYERS. / [11]    APPLY ENIG OR ENEPIG SURFACE FINISH ON ALL EXPOSED COPPER / [12]    BOW AND TWIST SHALL NOT EXCEED 0.0075 INCH PER INCH. / [13]    ALL SPECIFICATIONS REFERENCED SHALL BE OF THE LATEST REVISION. /            ALL DESIGN MODIFICATIONS MUST BE APPROVED BY CUSTOMER. / [14]    BOARD IS VIEWED FROM PRIMARY SIDE (LAYER 1 - TOP). /            THE STACKUP (SEE STACKUP DETAILS ON MANUFACTURING NOTES [M15]) HAS 8 CONDUCTIVE LAYERS. /            ALL INNER CONDUCTIVE LAYERS ARE 1OZ/INCH THICK +/- 10% /            TOP AND BOTTOM LAYERS ARE HALF OZ THICK +/- 10% / [15]    MINIMUM TRACE WIDTH AND CLEARANCE ARE 5MILS / 5MILS / [16]    MINIMUM HOLE SIZE AFTER PLATING IS 8MILS. REFER TO DRILL TABLE FOR TOLERANCES. / [17]    APPLY SOLDER RESIST BETWEEN ALL SMT PADS. /            FINEST SOLDERMASK NECK IS 3MIL BETWEEN 0201 PADS. /            SOLDERMASK EXPANSION IS SET TO 3MIL ON ALL PADS." at 340,330 h100
M16_Title Block:
  lines w20: 0,3925 300,3925 ; 0,7850 300,7850 ; 0,11775 300,11775 ; 2790,0 2790,300 ; 2790,15400 2790,15700 ; 5570,0 5570,300 ; 5570,15400 5570,15700 ; 8360,0 8360,300 ; 8360,15400 8360,15700 ; 11150,0 11150,300 ; 11150,15400 11150,15700 ; 13935,0 13935,300 ; 13935,15400 13935,15700 ; 16725,0 16725,300 ; 16725,15400 16725,15700 ; 17500,600 22000,600 ; 17500,900 22000,900 ; 17500,1200 19000,1200 ; 19000,300 19000,900 19000,1500 ; 19510,0 19510,300 ; 19510,15400 19510,15700 ; 21100,300 21100,900 ; 22000,3925 22300,3925 ; 22000,7850 22300,7850 ; 22000,11775 22300,11775 ; 17500,300 17500,1500 ; 17500,300 22000,300 ; 17500,300 16100,300 16100,1500 17500,1500 ; 17500,1500 19000,1500 ; 19000,1500 22000,1500 22000,300 ; 22000,300 300,300 300,15400 22000,15400 22000,300 ; 0,0 0,15700 22300,15700 22300,0 0,0
  text "1" at 1376.34,15515 h100
  text "2" at 4157,15515 h100
  text "3" at 6936.34,15515 h100
  text "4" at 9733.01,15515 h100
  text "5" at 12516.35,15515 h100
  text "6" at 15307,15515 h100
  text "7" at 18107,15515 h100
  text "8" at 20887,15515 h100
  text "A" at 125,13657 h100
  text "A" at 22125,13657 h100
  text "B" at 125,9727 h100
  text "B" at 22125,9727 h100
  text "C" at 125,5807 h100
  text "C" at 22125,5807 h100
  text "D" at 125,1877 h100
  text "D" at 22125,1877 h100
  text "ALL DIMENSIONS ARE IN THOUSANDS OF INCHES (MILS)" at 19135,1555 h60
  text "TITLE:" at 19050,1400 h45
  text "PASCAL-EMMANUEL LACHANCE" at 17545,1325 h60
  text "CRYPTUS / DAUGHTERBOARD" at 19360,985 h150
  text "DATE:" at 17550,800 h45
  text "PART NO.:" at 19050,800 h45
  text "REV:" at 21150,800 h45
  text "1_A" at 21420,700 h60
  text ".PRINT_DATE" at 17600,680 h70
  text "FILE NAME:" at 17550,500 h45
  text "DWG NO:" at 19050,500 h45
  text "SCALE:" at 21150,500 h45
  text ".PCB_FILE_NAME_NO_PATH" at 17600,380 h70
  text "1" at 1376.34,125 h100
  text "2" at 4157,125 h100
  text "3" at 6936.34,125 h100
  text "4" at 9733.01,125 h100
  text "5" at 12516.35,125 h100
  text "6" at 15307,125 h100
  text "7" at 18107,125 h100
  text "8" at 20887,125 h100
Drill Drawing:
  drawing of 158 lines, arcs and shapes, not listed
  text "Symbol" at 18069.64,15280 h72
  text "Count" at 18575.52,15280 h72
  text "Hole Size" at 19225.34,15280 h72
  text "Plated" at 20375.01,15280 h72
  text "Hole Tolerance" at 20880.88,15280 h72
  text "377" at 18575.52,15130 h60
  text "7.87mil (0.200mm)" at 19225.34,15130 h60
  text "PTH" at 20375.01,15130 h60
  text "+/-1.00mil" at 20880.88,15130 h60
  text "6" at 18575.52,14980 h60
  text "10.00mil (0.254mm)" at 19225.34,14980 h60
  text "PTH" at 20375.01,14980 h60
  text "+/-4.00mil" at 20880.88,14980 h60
  text "9" at 18575.52,14830 h60
  text "12.00mil (0.305mm)" at 19225.34,14830 h60
  text "PTH" at 20375.01,14830 h60
  text "+/-4.00mil" at 20880.88,14830 h60
  text "623" at 18575.52,14680 h60
  text "16.00mil (0.406mm)" at 19225.34,14680 h60
  text "PTH" at 20375.01,14680 h60
  text "+/-4.00mil" at 20880.88,14680 h60
  text "12" at 18575.52,14530 h60
  text "20.00mil (0.508mm)" at 19225.34,14530 h60
  text "PTH" at 20375.01,14530 h60
  text "8" at 18575.52,14380 h60
  text "20.00mil (0.508mm)" at 19225.34,14380 h60
  text "PTH" at 20375.01,14380 h60
  text "+/-5.00mil" at 20880.88,14380 h60
  text "4" at 18575.52,14230 h60
  text "26.00mil (0.660mm)" at 19225.34,14230 h60
  text "NPTH" at 20375.01,14230 h60
  text "+/-4.00mil" at 20880.88,14230 h60
  text "4" at 18575.52,14080 h60
  text "34.00mil (0.864mm)" at 19225.34,14080 h60
  text "PTH" at 20375.01,14080 h60
  text "9" at 18575.52,13930 h60
  text "40.00mil (1.016mm)" at 19225.34,13930 h60
  text "PTH" at 20375.01,13930 h60
  text "+/-8.00mil" at 20880.88,13930 h60
  text "2" at 18575.52,13780 h60
  text "48.00mil (1.219mm)" at 19225.34,13780 h60
  text "NPTH" at 20375.01,13780 h60
  text "2" at 18575.52,13630 h60
  text "48.00mil (1.219mm)" at 19225.34,13630 h60
  text "PTH" at 20375.01,13630 h60
  text "+/-4.00mil" at 20880.88,13630 h60
  text "4" at 18575.52,13480 h60
  text "60.00mil (1.524mm)" at 19225.34,13480 h60
  text "PTH" at 20375.01,13480 h60
  text "+/-8.00mil" at 20880.88,13480 h60
  text "4" at 18575.52,13330 h60
  text "70.00mil (1.778mm)" at 19225.34,13330 h60
  text "PTH" at 20375.01,13330 h60
  text "+/-6.00mil" at 20880.88,13330 h60
  text "4" at 18575.52,13180 h60
  text "135.00mil (3.429mm)" at 19225.34,13180 h60
  text "PTH" at 20375.01,13180 h60
  text "+/-20.00mil" at 20880.88,13180 h60
  text "1068 Total" at 18575.52,13030 h60
  text "Slot definitions :" at 18069.64,12885.03 h60
  text "Routed Path Length" at 19102.33,12885.03 h60
  text "= Calculated from tool start centre position to tool end centre position." at 20205,12885.03 h60
  text "Hole Length" at 19102.33,12785.05 h60
  text "= Routed Path Length + Tool Size = Slot length as defined in the PCB layout" at 19795.13,12785.05 h60

## Text inside footprints (layer, text, board x,y; h text height)
Q1: Bottom Overlay "G" at 11295,9669 h30 r180; Bottom Overlay "S" at 11475,9669 h30 r180; Bottom Overlay "D" at 11528,9290 h30 r180
U1: Top Overlay "Y" at 12280.26,7009.49 h30 r45; Top Overlay "20" at 12269.93,7922.86 h30 r45; Top Overlay "A" at 11857.11,7432.64 h30 r45; Top Overlay "1" at 11860.92,7513.84 h30 r45